# Altium PCB Motherboard_PCB_Trimmed.PcbDoc (part 1 of 5) (continued)
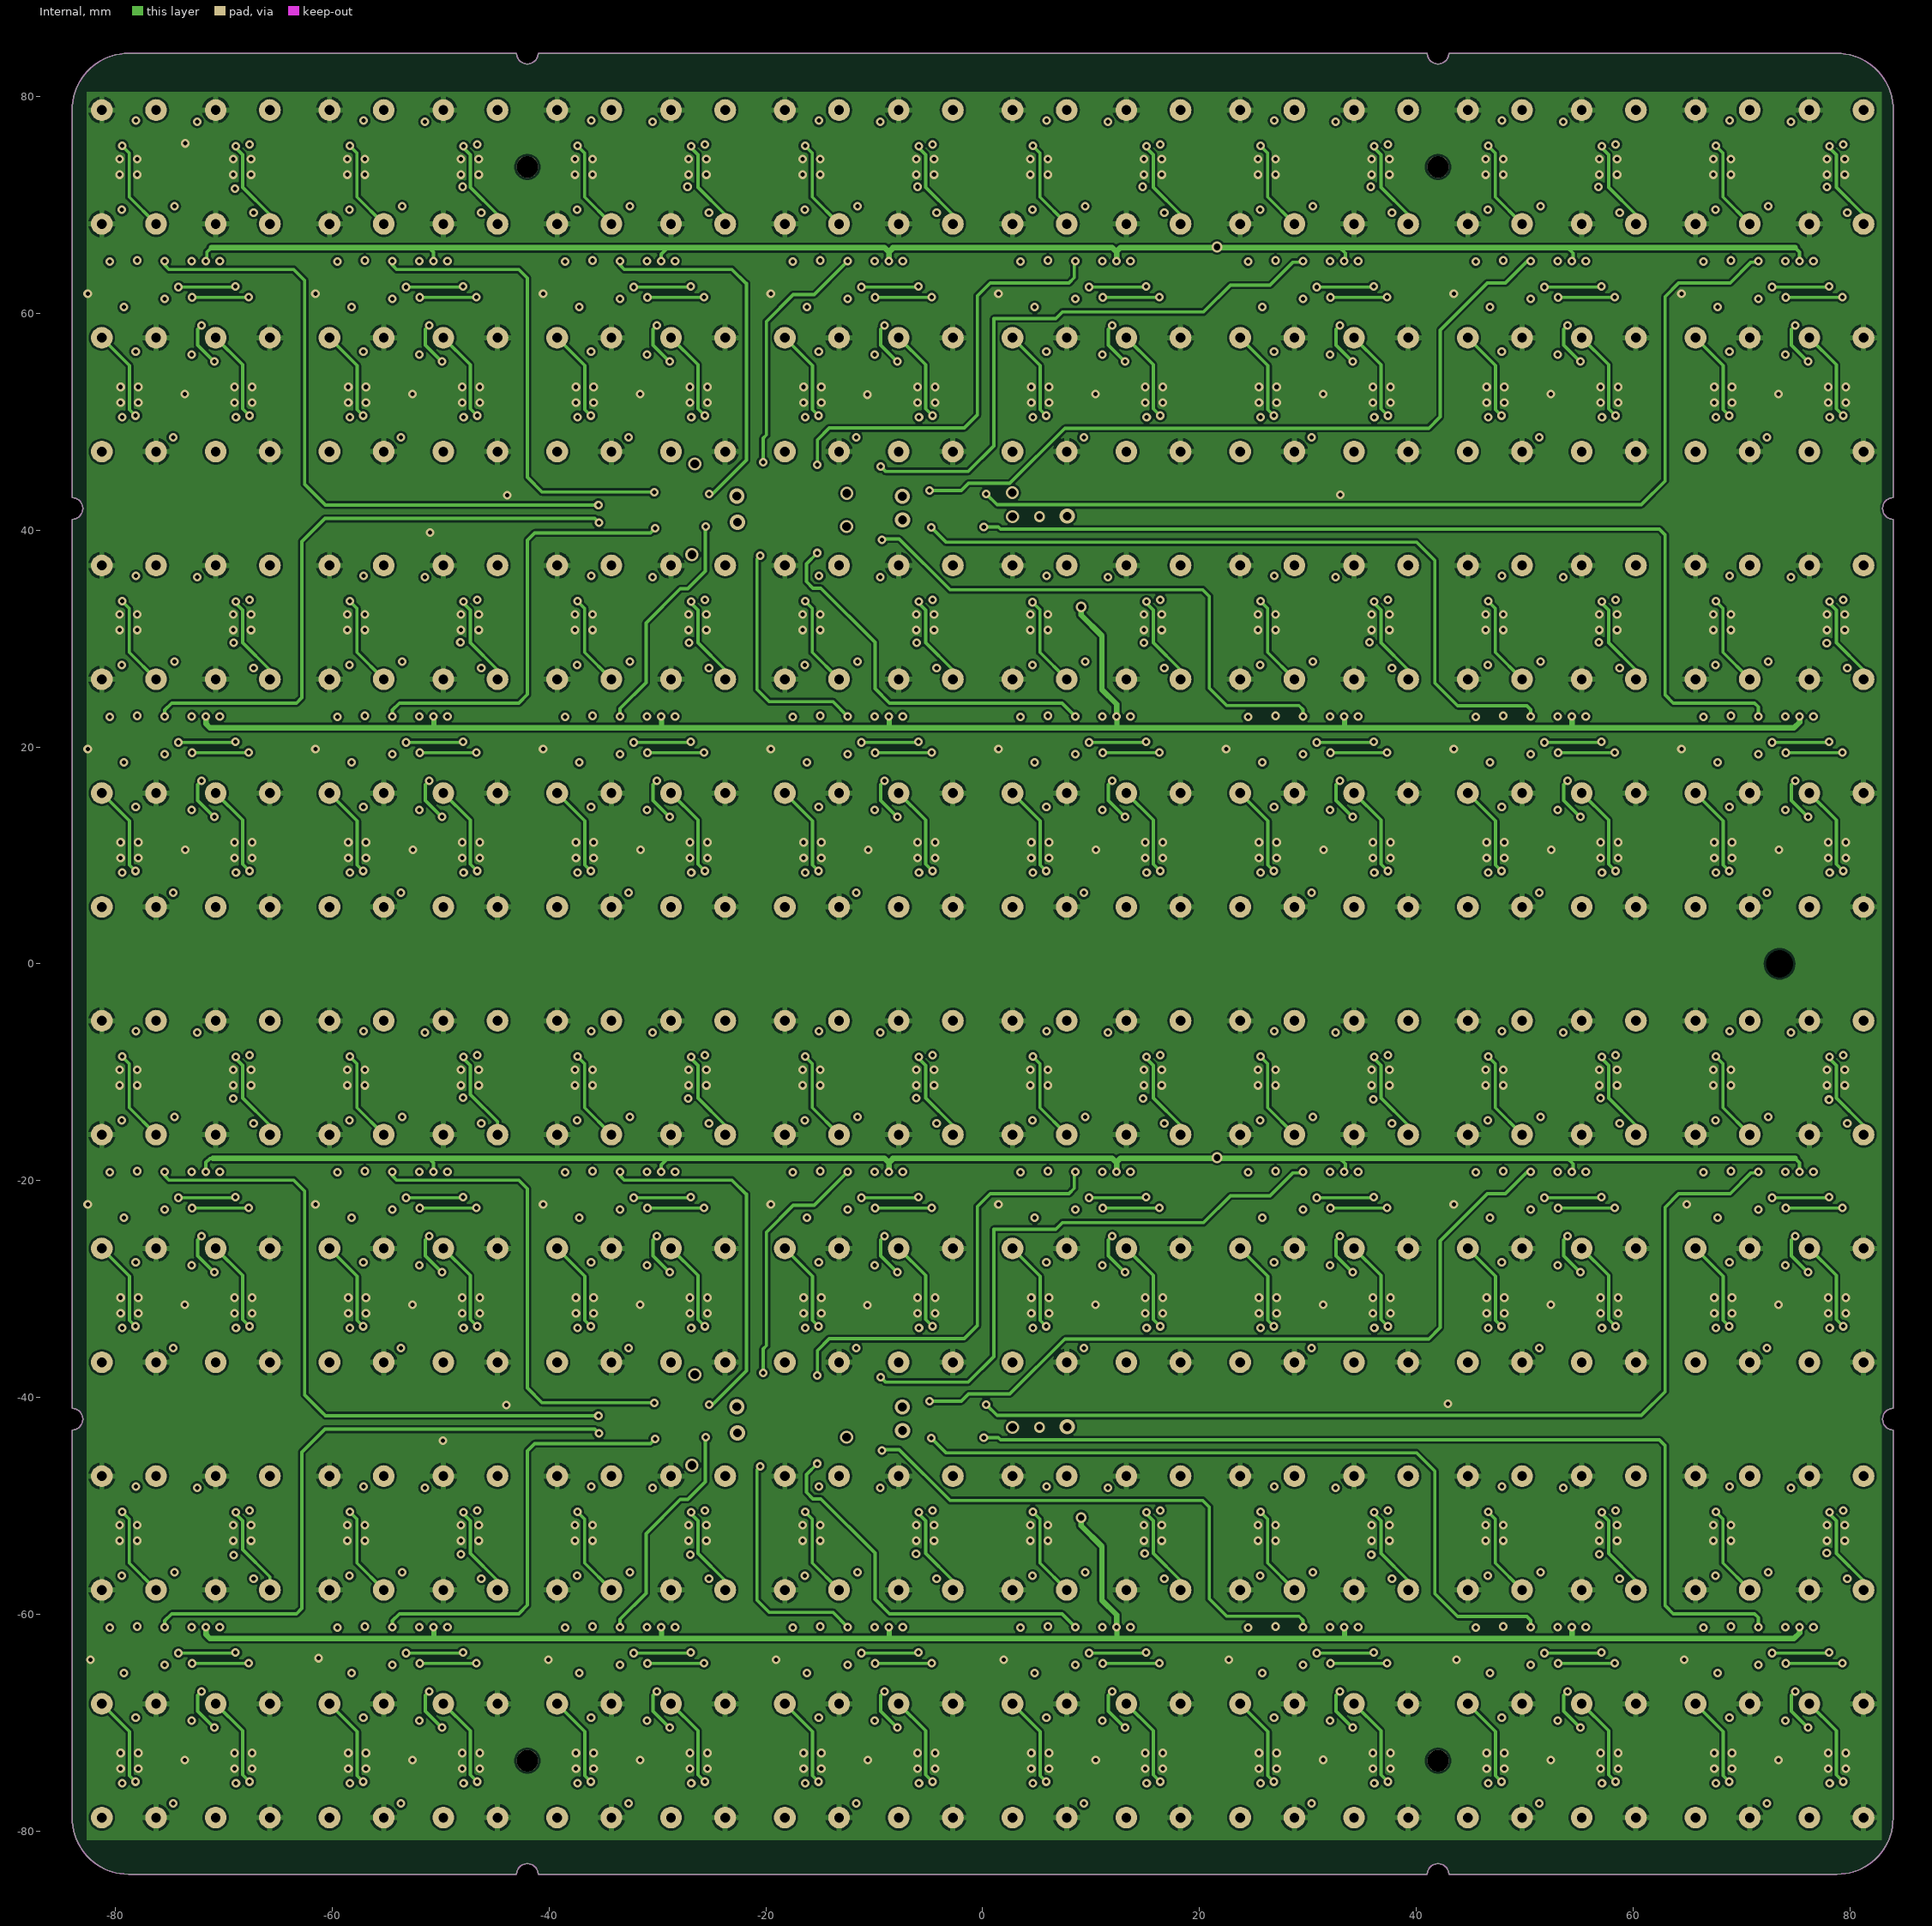
[diagram p4: Internal]
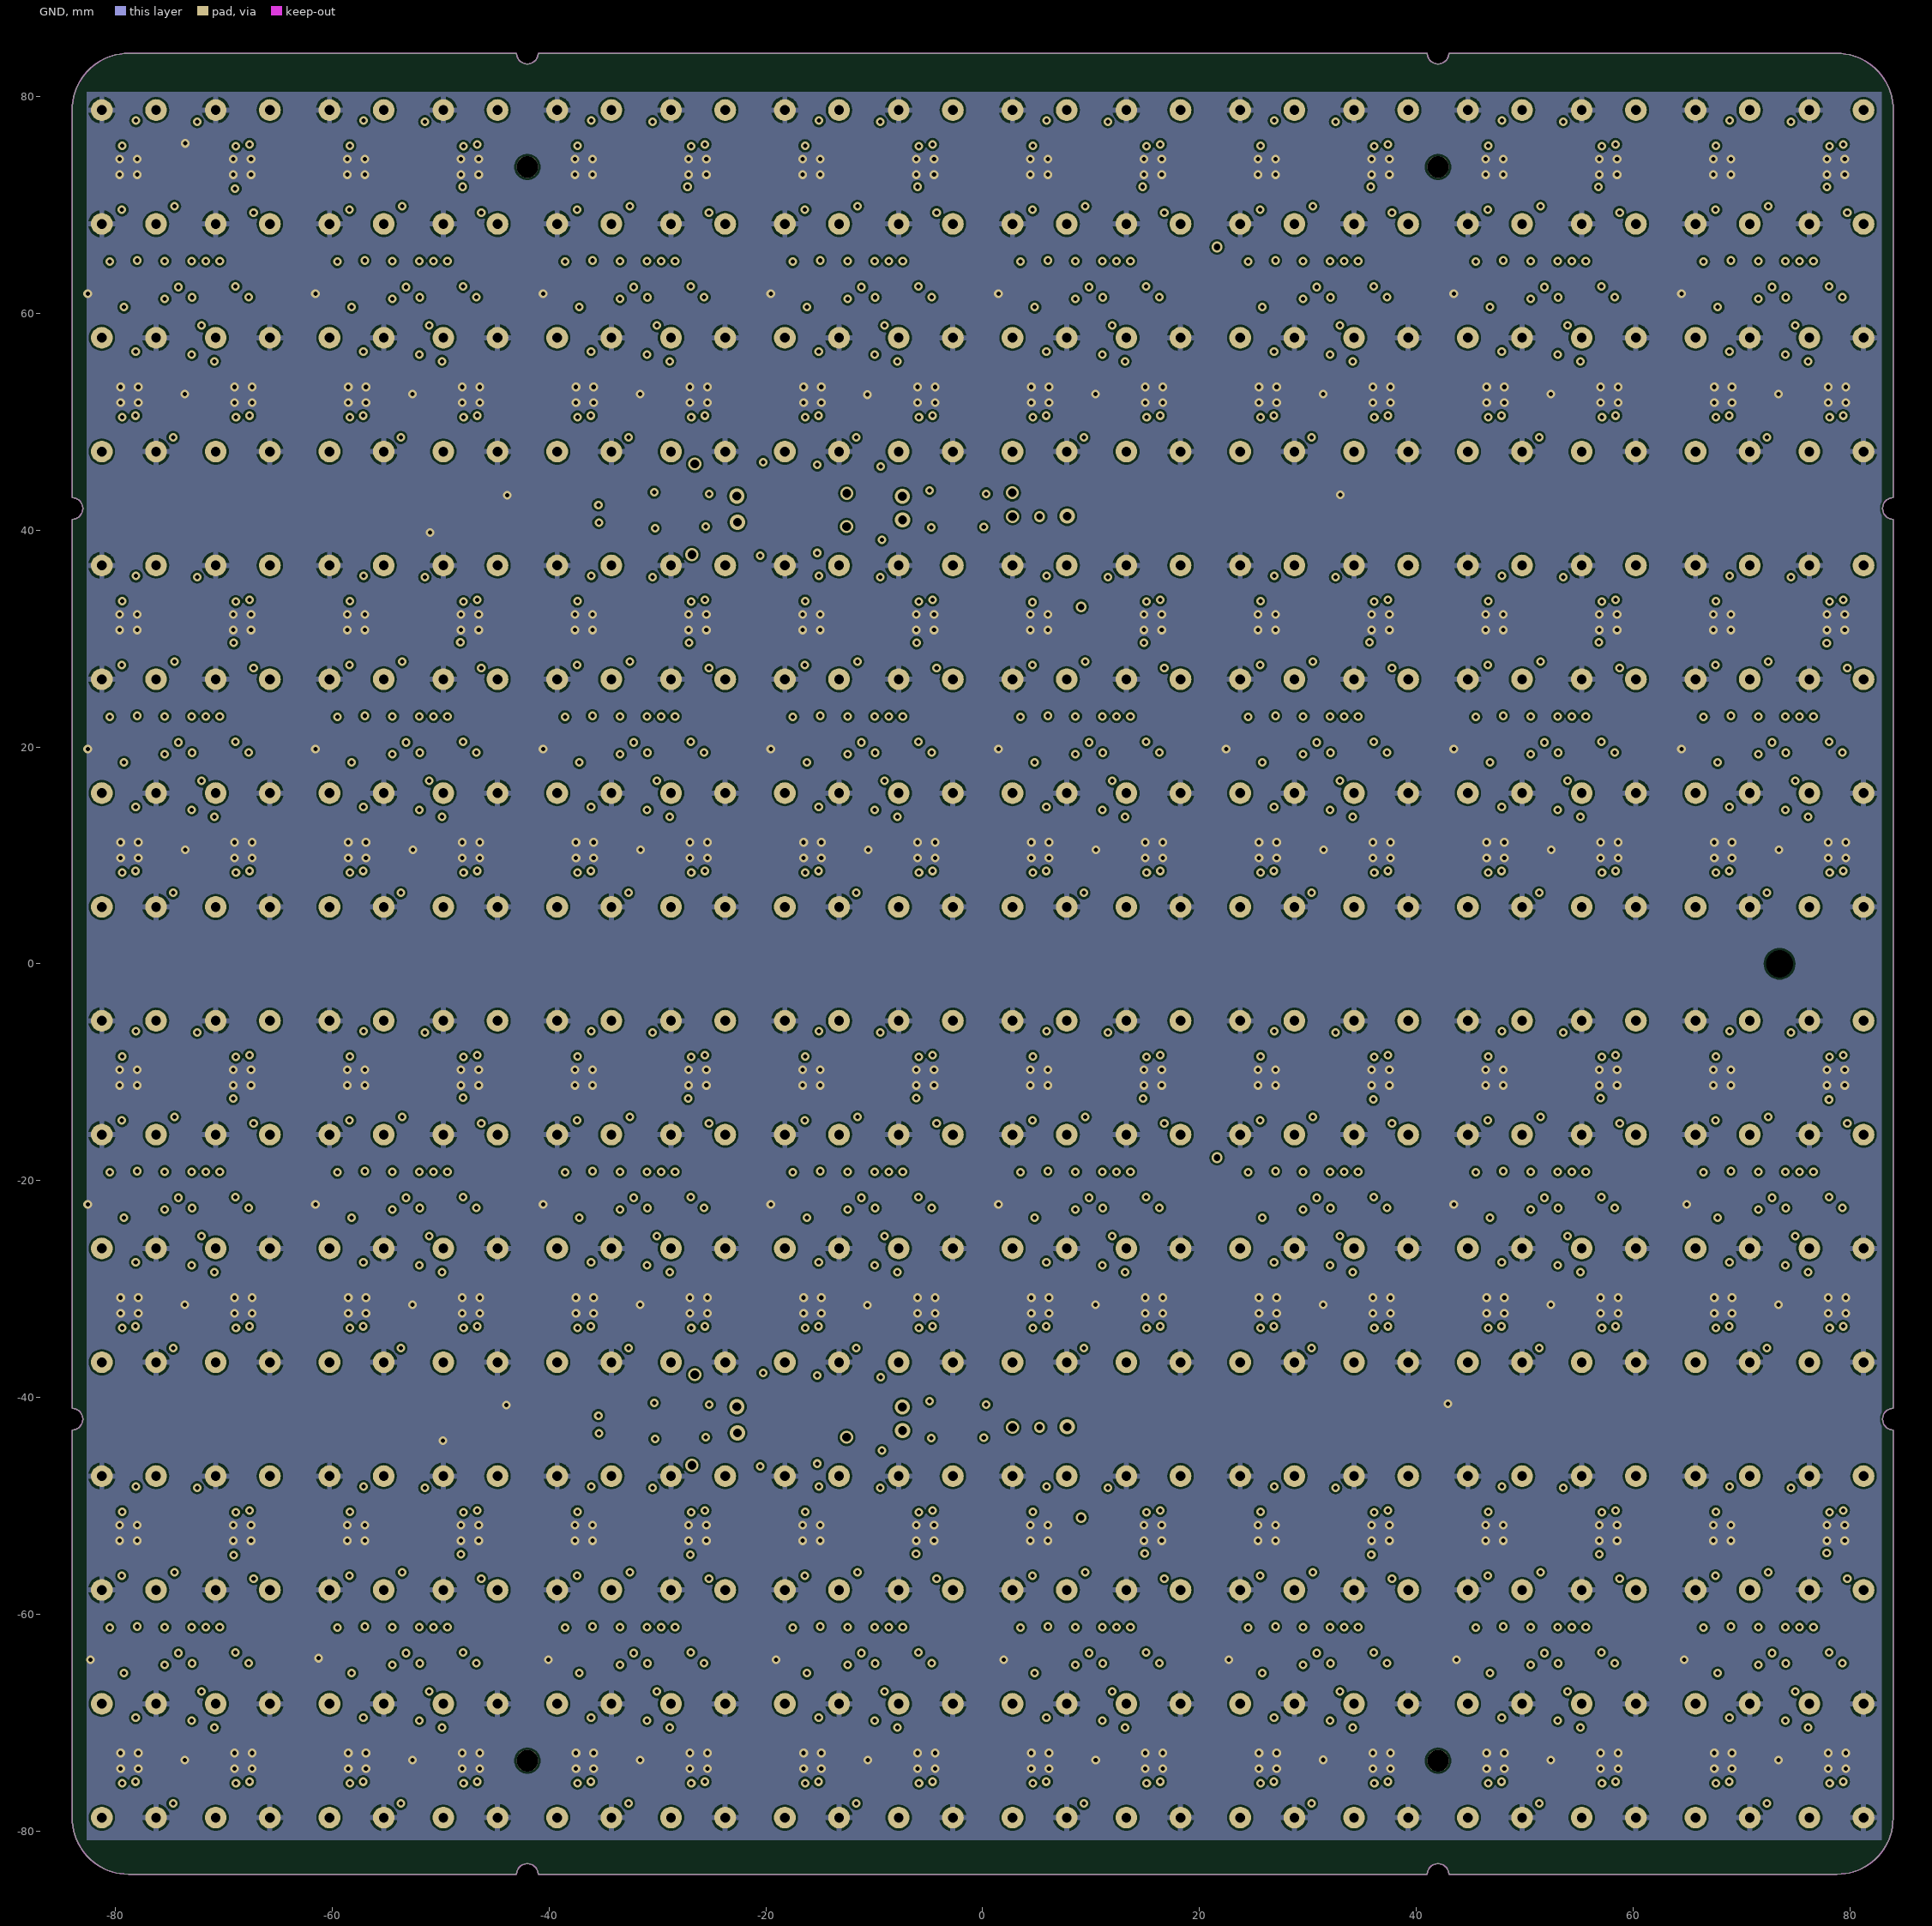
[diagram p5: GND]
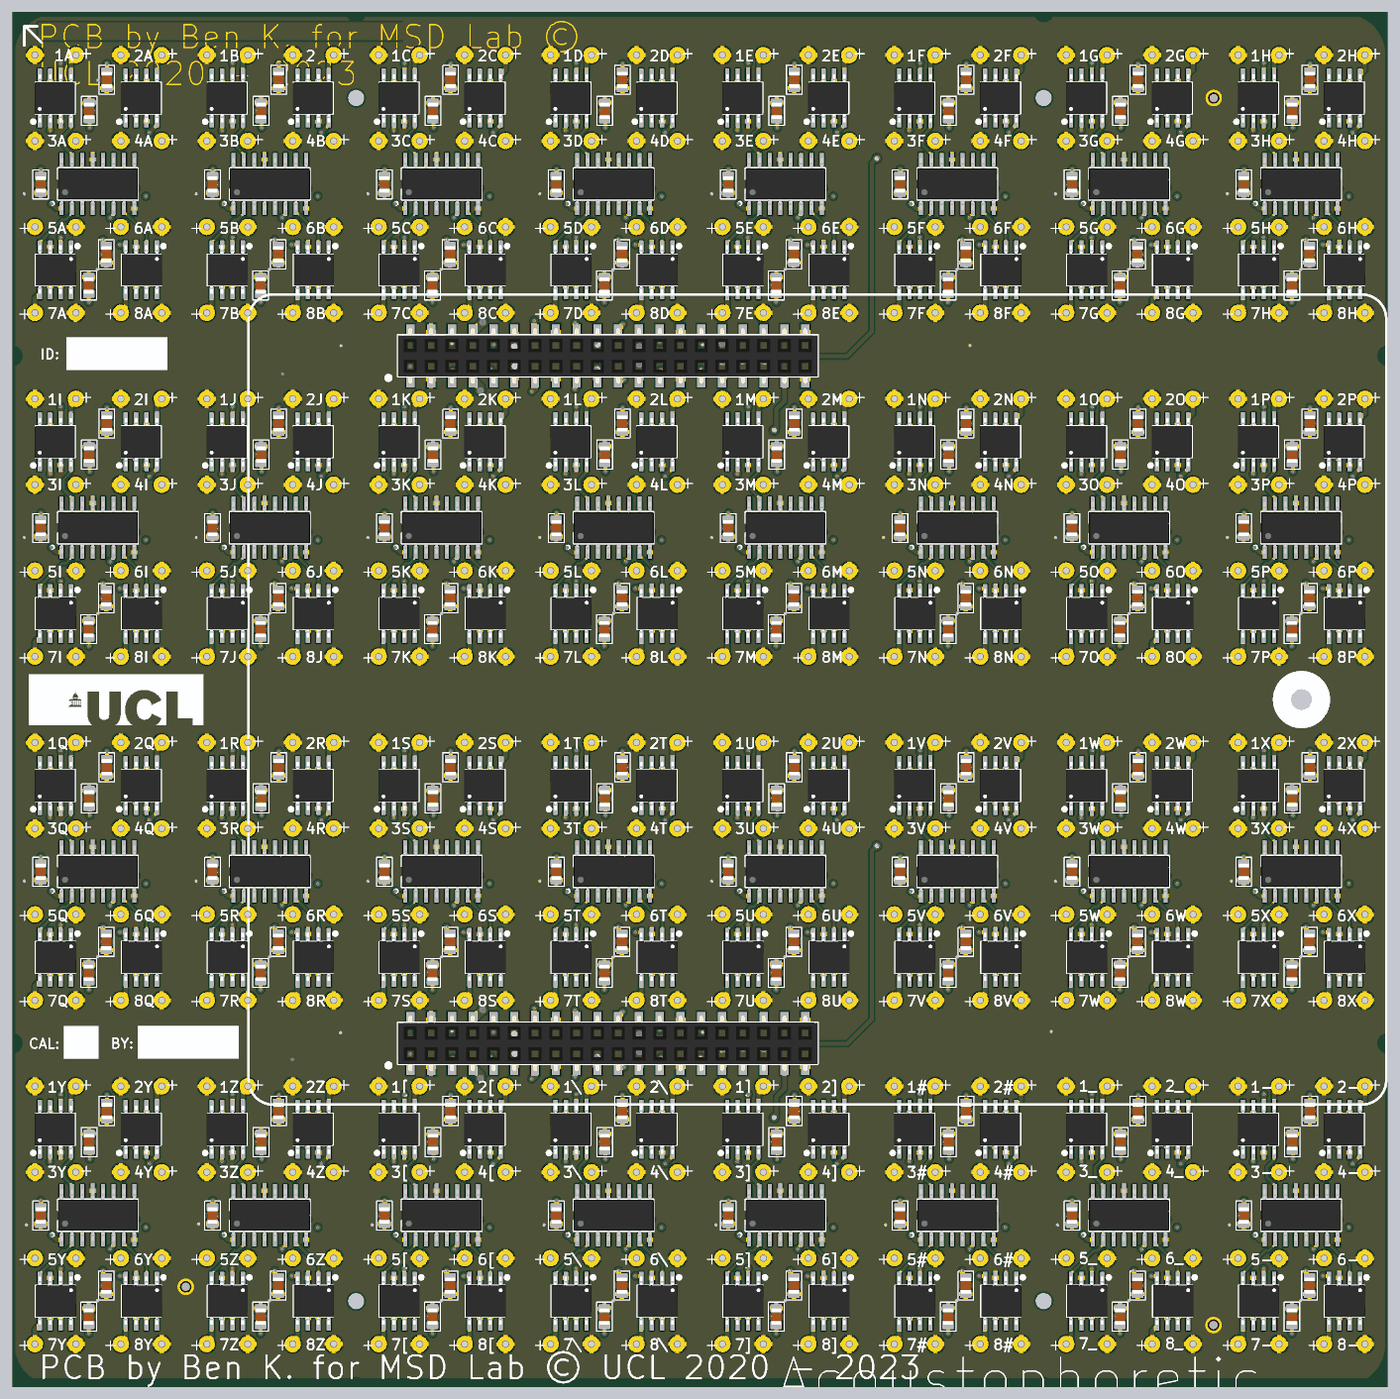
[diagram p10: 3D render of the assembled board from above, using the file's embedded part models]

## Layer stack, top to bottom
Top Mask: solder mask 0.015, Solder Resist, Dk 3.8
Top: signal copper 0.035
Dielectric 1: prepreg 0.1, 2313, Dk 4.05
VCC: signal copper 0.0175
Core 1: core 0.665, FR-4, Dk 4.5
VS: signal copper 0.0175
Dielectric 2: prepreg 0.127, 2116, Dk 4.25
Internal: signal copper 0.0175
Core 2: core 0.665, FR-4, Dk 4.5
GND: signal copper 0.0175
Dielectric 3: prepreg 0.1, 2313, Dk 4.05
Bottom: signal copper 0.035
Bottom Mask: solder mask 0.015, Solder Resist, Dk 3.8

## Board outline
-83.975,-78.805 ccw(c-78.805,-78.805) -78.805,-83.975 -43.025,-83.975 -43,-83.976 cw(c-42,-84) -41,-83.975 40.975,-83.975 41,-83.976 cw(c42,-84) 43,-83.976 43.025,-83.975 78.815,-83.975 ccw(c78.815,-78.815) 83.975,-78.815 83.975,-43.025 83.976,-43 cw(c84,-42) 83.975,-41 83.975,40.975 83.976,41 cw(c84,42) 83.981,43 83.98,43.02 83.98,78.808 ccw(c78.814,78.808) 78.814,83.975 43.025,83.975 43,83.976 cw(c42,84) 41,83.975 -41,83.975 cw(c-42,84) -43,83.975 -78.787,83.975 -78.812,83.975 ccw(c-78.812,78.811) -83.976,78.811 -83.975,78.811 -83.975,43.025 -83.976,43 cw(c-84,42) -83.975,41 -83.975,-40.975 -83.976,-41 cw(c-84,-42) -83.976,-43 -83.975,-43.025

## Design rules (kind name [scope] priority, off if disabled: settings)
BoardOutlineClearance [All] p1: gap=0.2 ignorepadtopadclearanceinfootprint=FALSE except(0.4: Arc-SplitBarrior Arc-SplitContinuation Track-SplitBarrior Track-SplitContinuation SMDPad-SplitBarrior SMDPad-SplitContinuation THPad-SplitBarrior THPad-SplitContinuation Via-SplitBarrior Via-SplitContinuation Fill-SplitBarrior Fill-SplitContinuation Poly-SplitBarrior Poly-SplitContinuation Region-SplitBarrior Region-SplitContinuation Text-SplitBarrior Text-SplitContinuation)
Clearance "Clearance Bottom Layer" [OnLayer('Bottom Layer')] p1: gap=0.203 ignorepadtopadclearanceinfootprint=TRUE except(0.254: Arc-Text Track-Text SMDPad-Text THPad-Text Via-Text Fill-Text Poly-Text Region-Text Text-Text)
Clearance "Clearance Top Layer" [OnLayer('Top Layer')] p2: gap=0.203 ignorepadtopadclearanceinfootprint=TRUE except(0.254: Arc-Text Track-Text SMDPad-Text THPad-Text Via-Text Fill-Text Poly-Text Region-Text Text-Text)
Clearance [All] p3: gap=0.2 ignorepadtopadclearanceinfootprint=FALSE except(0.089: Arc-Arc Arc-Track Arc-SMDPad Track-Track Track-SMDPad SMDPad-SMDPad; 0.127: Arc-Via Track-Via SMDPad-Via THPad-Via Via-Via; 0.254: Arc-Text Track-Text SMDPad-Text THPad-Text Via-Text Fill-Text Poly-Text Region-Text Text-Text)
HoleSize [All] p1: absolutevalues=TRUE maxlimit=6.3 minlimit=0.2 maxpercent=80.000 minpercent=20.000
MinimumAnnularRing [All] p1: minimumring=0.076
MinimumSolderMaskSliver [All] p1: minsoldermaskwidth=0.1
PolygonConnect PolygonConnect_1 [All] p1: thpad.connectstyle=Relief thpad.reliefconductorwidth=0.508 thpad.reliefentries=4 thpad.polygonreliefangle="90 Angle" thpad.airgapwidth=0.254 smdpad.connectstyle=Relief smdpad.reliefconductorwidth=0.508 smdpad.reliefentries=4 smdpad.polygonreliefangle="90 Angle" smdpad.airgapwidth=0.254 via.connectstyle=Direct via.reliefconductorwidth=0.508 via.reliefentries=4 via.polygonreliefangle="90 Angle" via.airgapwidth=0.254
RoutingCorners [All] p1: cornerstyle=Round minsetback=2.54 maxsetback=2.54
RoutingVias [All] p1: holewidth=0.5 width=1 viastyle="Through Hole" minholewidth=0.2 minwidth=0.45 maxholewidth=1 maxwidth=2
SilkToSilkClearance [All] p1: silktosilkclearance=0.1
SilkToSolderMaskClearance [IsPad] p1: minsilkscreentomaskgap=0.1 clearancetoexposedcopper=TRUE
SolderMaskExpansion [All] p1: expansion=0.102 istentingtop=FALSE
Width [All] p1: maxlimit=2.54 minlimit=0.089 preferedwidth=0.381
25 further rules are at their usual default settings.

## Classes and differential pairs
component class ToBreakout: Header1 Header2
component class S1: 1A 2A 3A 4A 5A 6A 7A 8A C1A C2A C4A C6A C8A C17_S1 E3 E4 U1A U2A U3A U4A U5A
component class S2: 1B 2 3B 4B 5B 6B 7B 8B C1B C2B C4B C6B C8B C17_S2 U1B U2B U3B U4B U5B
component class S3: 1C 2C 3C 4C 5C 6C 7C 8C C1C C2C C4C C6C C8C C17_S3 U1C U2C U3C U4C U5C
component class S4: 1D 2D 3D 4D 5D 6D 7D 8D C1D C2D C4D C6D C8D C17_S4 U1D U2D U3D U4D U5D
component class S5: 1E 2E 3E 4E 5E 6E 7E 8E C1E C2E C4E C6E C8E C17_S5 U1E U2E U3E U4E U5E
component class S6: 1F 2F 3F 4F 5F 6F 7F 8F C1F C2F C4F C6F C8F C17_S6 U1F U2F U3F U4F U5F
component class S7: 1G 2G 3G 4G 5G 6G 7G 8G C1G C2G C4G C6G C8G C17_S7 U1G U2G U3G U4G U5G
component class S8: 1H 2H 3H 4H 5H 6H 7H 8H C1H C2H C4H C6H C8H C17_S8 U1H U2H U3H U4H U5H
component class S9: 1I 2I 3I 4I 5I 6I 7I 8I C1I C2I C4I C6I C8I C17_S9 U1I U2I U3I U4I U5I
component class S10: 1J 2J 3J 4J 5J 6J 7J 8J C1J C2J C4J C6J C8J C17_S10 U1J U2J U3J U4J U5J
component class S11: 1K 2K 3K 4K 5K 6K 7K 8K C1K C2K C4K C6K C8K C17_S11 U1K U2K U3K U4K U5K
component class S12: 1L 2L 3L 4L 5L 6L 7L 8L C1L C2L C4L C6L C8L C17_S12 U1L U2L U3L U4L U5L
component class S13: 1M 2M 3M 4M 5M 6M 7M 8M C1M C2M C4M C6M C8M C17_S13 U1M U2M U3M U4M U5M
component class S14: 1N 2N 3N 4N 5N 6N 7N 8N C1N C2N C4N C6N C8N C17_S14 U1N U2N U3N U4N U5N
component class S15: 1O 2O 3O 4O 5O 6O 7O 8O C1O C2O C4O C6O C8O C17_S15 U1O U2O U3O U4O U5O
component class S16: 1P 2P 3P 4P 5P 6P 7P 8P C1P C2P C4P C6P C8P C17_S16 U1P U2P U3P U4P U5P
component class S17: 1Q 2Q 3Q 4Q 5Q 6Q 7Q 8Q C1Q C2Q C4Q C6Q C8Q C17_S17 U1Q U2Q U3Q U4Q U5Q
component class S18: 1R 2R 3R 4R 5R 6R 7R 8R C1R C2R C4R C6R C8R C17_S18 U1R U2R U3R U4R U5R
component class S19: 1S 2S 3S 4S 5S 6S 7S 8S C1S C2S C4S C6S C8S C17_S19 U1S U2S U3S U4S U5S
component class S20: 1T 2T 3T 4T 5T 6T 7T 8T C1T C2T C4T C6T C8T C17_S20 U1T U2T U3T U4T U5T
component class S21: 1U 2U 3U 4U 5U 6U 7U 8U C1U C2U C4U C6U C8U C17_S21 U1U U2U U3U U4U U5U
component class S22: 1V 2V 3V 4V 5V 6V 7V 8V C1V C2V C4V C6V C8V C17_S22 U1V U2V U3V U4V U5V
component class S23: 1W 2W 3W 4W 5W 6W 7W 8W C1W C2W C4W C6W C8W C17_S23 U1W U2W U3W U4W U5W
component class S24: 1X 2X 3X 4X 5X 6X 7X 8X C1X C2X C4X C6X C8X C17_S24 U1X U2X U3X U4X U5X
component class S25: 1Y 2Y 3Y 4Y 5Y 6Y 7Y 8Y C1Y C2Y C4Y C6Y C8Y C17_S25 U1Y U2Y U3Y U4Y U5Y
component class S26: 1Z 2Z 3Z 4Z 5Z 6Z 7Z 8Z C1Z C2Z C4Z C6Z C8Z C17_S26 U1Z U2Z U3Z U4Z U5Z
component class S27: 1[ 2[ 3[ 4[ 5[ 6[ 7[ 8[ C1[ C2[ C4[ C6[ C8[ C17_S27 U1[ U2[ U3[ U4[ U5[
component class S28: 1\ 2\ 3\ 4\ 5\ 6\ 7\ 8\ C1\ C2\ C4\ C6\ C8\ C17_S28 U1\ U2\ U3\ U4\ U5\
component class S29: 1] 2] 3] 4] 5] 6] 7] 8] C1] C2] C4] C6] C8] C17_S29 U1] U2] U3] U4] U5]
component class S30: 1# 2# 3# 4# 5# 6# 7# 8# 51 C1^ C2^ C4^ C6^ C8^ C17_S30 U1^ U2^ U3^ U4^ U5# U5^
component class S31: 1_ 2_ 3_ 4_ 5_ 6_ 7_ 8_ C1_ C2_ C4_ C6_ C8_ C17_S31 U1_ U2_ U3_ U4_ U5_
component class S32: 1- 2- 3- 4- 5- 6- 7- 8- C1` C2` C4` C6` C8` C17_S32 U1` U2` U3` U4` U5- U5`
net class DS[1..32]: DS1 DS2 DS3 DS4 DS5 DS6 DS7 DS8 DS9 DS10 DS11 DS12 DS13 DS14 DS15 DS16 DS17 DS18 DS19 DS20 DS21 DS22 DS23 DS24 DS25 DS26 DS27 DS28 DS29 DS30 DS31 DS32
channel class ShiftAmpilfyEmit: S1 S2 S3 S4 S5 S6 S7 S8 S9 S10 S11 S12 S13 S14 S15 S16 S17 S18 S19 S20 S21 S22 S23 S24 S25 S26 S27 S28 S29 S30 S31 S32

## Components (designator, comment, footprint, x,y, rotation, side; value= is the part's Value field where it differs from the comment)
1# "EMIT" "TRANSDUCER_D - LowPoly" 26.25,-47.25 r180 top locked (schematic designator 1)
1- "EMIT" "TRANSDUCER_D - LowPoly" 68.25,-47.25 r180 top locked (schematic designator 1)
1[ "EMIT" "TRANSDUCER_D - LowPoly" -36.75,-47.25 r180 top locked (schematic designator 1)
1\ "EMIT" "TRANSDUCER_D - LowPoly" -15.75,-47.25 r180 top locked (schematic designator 1)
1] "EMIT" "TRANSDUCER_D - LowPoly" 5.25,-47.25 r180 top locked (schematic designator 1)
1_ "EMIT" "TRANSDUCER_D - LowPoly" 47.25,-47.25 r180 top locked (schematic designator 1)
1A "EMIT" "TRANSDUCER_D - LowPoly" -78.75,78.75 r180 top locked (schematic designator 1)
1B "EMIT" "TRANSDUCER_D - LowPoly" -57.75,78.75 r180 top locked (schematic designator 1)
1C "EMIT" "TRANSDUCER_D - LowPoly" -36.75,78.75 r180 top locked (schematic designator 1)
1D "EMIT" "TRANSDUCER_D - LowPoly" -15.75,78.75 r180 top locked (schematic designator 1)
1E "EMIT" "TRANSDUCER_D - LowPoly" 5.25,78.75 r180 top locked (schematic designator 1)
1F "EMIT" "TRANSDUCER_D - LowPoly" 26.25,78.75 r180 top locked (schematic designator 1)
1G "EMIT" "TRANSDUCER_D - LowPoly" 47.25,78.75 r180 top locked (schematic designator 1)
1H "EMIT" "TRANSDUCER_D - LowPoly" 68.25,78.75 r180 top locked (schematic designator 1)
1I "EMIT" "TRANSDUCER_D - LowPoly" -78.75,36.75 r180 top locked (schematic designator 1)
1J "EMIT" "TRANSDUCER_D - LowPoly" -57.75,36.75 r180 top locked (schematic designator 1)
1K "EMIT" "TRANSDUCER_D - LowPoly" -36.75,36.75 r180 top locked (schematic designator 1)
1L "EMIT" "TRANSDUCER_D - LowPoly" -15.75,36.75 r180 top locked (schematic designator 1)
1M "EMIT" "TRANSDUCER_D - LowPoly" 5.25,36.75 r180 top locked (schematic designator 1)
1N "EMIT" "TRANSDUCER_D - LowPoly" 26.25,36.75 r180 top locked (schematic designator 1)
1O "EMIT" "TRANSDUCER_D - LowPoly" 47.25,36.75 r180 top locked (schematic designator 1)
1P "EMIT" "TRANSDUCER_D - LowPoly" 68.25,36.75 r180 top locked (schematic designator 1)
1Q "EMIT" "TRANSDUCER_D - LowPoly" -78.75,-5.25 r180 top locked (schematic designator 1)
1R "EMIT" "TRANSDUCER_D - LowPoly" -57.75,-5.25 r180 top locked (schematic designator 1)
1S "EMIT" "TRANSDUCER_D - LowPoly" -36.75,-5.25 r180 top locked (schematic designator 1)
1T "EMIT" "TRANSDUCER_D - LowPoly" -15.75,-5.25 r180 top locked (schematic designator 1)
1U "EMIT" "TRANSDUCER_D - LowPoly" 5.25,-5.25 r180 top locked (schematic designator 1)
1V "EMIT" "TRANSDUCER_D - LowPoly" 26.25,-5.25 r180 top locked (schematic designator 1)
1W "EMIT" "TRANSDUCER_D - LowPoly" 47.25,-5.25 r180 top locked (schematic designator 1)
1X "EMIT" "TRANSDUCER_D - LowPoly" 68.25,-5.25 r180 top locked (schematic designator 1)
1Y "EMIT" "TRANSDUCER_D - LowPoly" -78.75,-47.25 r180 top locked (schematic designator 1)
1Z "EMIT" "TRANSDUCER_D - LowPoly" -57.75,-47.25 r180 top locked (schematic designator 1)
2 "EMIT" "TRANSDUCER_D - LowPoly" -47.25,78.75 r180 top locked
2# "EMIT" "TRANSDUCER_D - LowPoly" 36.75,-47.25 r180 top locked (schematic designator 2)
2- "EMIT" "TRANSDUCER_D - LowPoly" 78.75,-47.25 r180 top locked (schematic designator 2)
2[ "EMIT" "TRANSDUCER_D - LowPoly" -26.25,-47.25 r180 top locked (schematic designator 2)
2\ "EMIT" "TRANSDUCER_D - LowPoly" -5.25,-47.25 r180 top locked (schematic designator 2)
2] "EMIT" "TRANSDUCER_D - LowPoly" 15.75,-47.25 r180 top locked (schematic designator 2)
2_ "EMIT" "TRANSDUCER_D - LowPoly" 57.75,-47.25 r180 top locked (schematic designator 2)
2A "EMIT" "TRANSDUCER_D - LowPoly" -68.25,78.75 r180 top locked (schematic designator 2)
2C "EMIT" "TRANSDUCER_D - LowPoly" -26.25,78.75 r180 top locked (schematic designator 2)
2D "EMIT" "TRANSDUCER_D - LowPoly" -5.25,78.75 r180 top locked (schematic designator 2)
2E "EMIT" "TRANSDUCER_D - LowPoly" 15.75,78.75 r180 top locked (schematic designator 2)
2F "EMIT" "TRANSDUCER_D - LowPoly" 36.75,78.75 r180 top locked (schematic designator 2)
2G "EMIT" "TRANSDUCER_D - LowPoly" 57.75,78.75 r180 top locked (schematic designator 2)
2H "EMIT" "TRANSDUCER_D - LowPoly" 78.75,78.75 r180 top locked (schematic designator 2)
2I "EMIT" "TRANSDUCER_D - LowPoly" -68.25,36.75 r180 top locked (schematic designator 2)
2J "EMIT" "TRANSDUCER_D - LowPoly" -47.25,36.75 r180 top locked (schematic designator 2)
2K "EMIT" "TRANSDUCER_D - LowPoly" -26.25,36.75 r180 top locked (schematic designator 2)
2L "EMIT" "TRANSDUCER_D - LowPoly" -5.25,36.75 r180 top locked (schematic designator 2)
2M "EMIT" "TRANSDUCER_D - LowPoly" 15.75,36.75 r180 top locked (schematic designator 2)
2N "EMIT" "TRANSDUCER_D - LowPoly" 36.75,36.75 r180 top locked (schematic designator 2)
2O "EMIT" "TRANSDUCER_D - LowPoly" 57.75,36.75 r180 top locked (schematic designator 2)
2P "EMIT" "TRANSDUCER_D - LowPoly" 78.75,36.75 r180 top locked (schematic designator 2)
2Q "EMIT" "TRANSDUCER_D - LowPoly" -68.25,-5.25 r180 top locked (schematic designator 2)
2R "EMIT" "TRANSDUCER_D - LowPoly" -47.25,-5.25 r180 top locked (schematic designator 2)
2S "EMIT" "TRANSDUCER_D - LowPoly" -26.25,-5.25 r180 top locked (schematic designator 2)
2T "EMIT" "TRANSDUCER_D - LowPoly" -5.25,-5.25 r180 top locked (schematic designator 2)
2U "EMIT" "TRANSDUCER_D - LowPoly" 15.75,-5.25 r180 top locked (schematic designator 2)
2V "EMIT" "TRANSDUCER_D - LowPoly" 36.75,-5.25 r180 top locked (schematic designator 2)
2W "EMIT" "TRANSDUCER_D - LowPoly" 57.75,-5.25 r180 top locked (schematic designator 2)
2X "EMIT" "TRANSDUCER_D - LowPoly" 78.75,-5.25 r180 top locked (schematic designator 2)
2Y "EMIT" "TRANSDUCER_D - LowPoly" -68.25,-47.25 r180 top locked (schematic designator 2)
2Z "EMIT" "TRANSDUCER_D - LowPoly" -47.25,-47.25 r180 top locked (schematic designator 2)
3# "EMIT" "TRANSDUCER_D - LowPoly" 26.25,-57.75 r180 top locked (schematic designator 3)
3- "EMIT" "TRANSDUCER_D - LowPoly" 68.25,-57.75 r180 top locked (schematic designator 3)
3[ "EMIT" "TRANSDUCER_D - LowPoly" -36.75,-57.75 r180 top locked (schematic designator 3)
3\ "EMIT" "TRANSDUCER_D - LowPoly" -15.75,-57.75 r180 top locked (schematic designator 3)
3] "EMIT" "TRANSDUCER_D - LowPoly" 5.25,-57.75 r180 top locked (schematic designator 3)
3_ "EMIT" "TRANSDUCER_D - LowPoly" 47.25,-57.75 r180 top locked (schematic designator 3)
3A "EMIT" "TRANSDUCER_D - LowPoly" -78.75,68.25 r180 top locked (schematic designator 3)
3B "EMIT" "TRANSDUCER_D - LowPoly" -57.75,68.25 r180 top locked (schematic designator 3)
3C "EMIT" "TRANSDUCER_D - LowPoly" -36.75,68.25 r180 top locked (schematic designator 3)
3D "EMIT" "TRANSDUCER_D - LowPoly" -15.75,68.25 r180 top locked (schematic designator 3)
3E "EMIT" "TRANSDUCER_D - LowPoly" 5.25,68.25 r180 top locked (schematic designator 3)
3F "EMIT" "TRANSDUCER_D - LowPoly" 26.25,68.25 r180 top locked (schematic designator 3)
3G "EMIT" "TRANSDUCER_D - LowPoly" 47.25,68.25 r180 top locked (schematic designator 3)